# Altium PCB GEM_AFE_128.PcbDoc (part 3 of 18)
Units mm, origin at the board's own origin, x right, y up, seen from the top; angles counter-clockwise.
Board outline 112 x 81.5 mm, 8 copper layers (Top Layer, L1, L2, L3, L4, L5, L6, Bottom Layer), stack 1.52 mm thick; 1880 components, 1258 nets, 6287 pads, 2369 vias.
Unrouted connection lines stored in the file: 4.
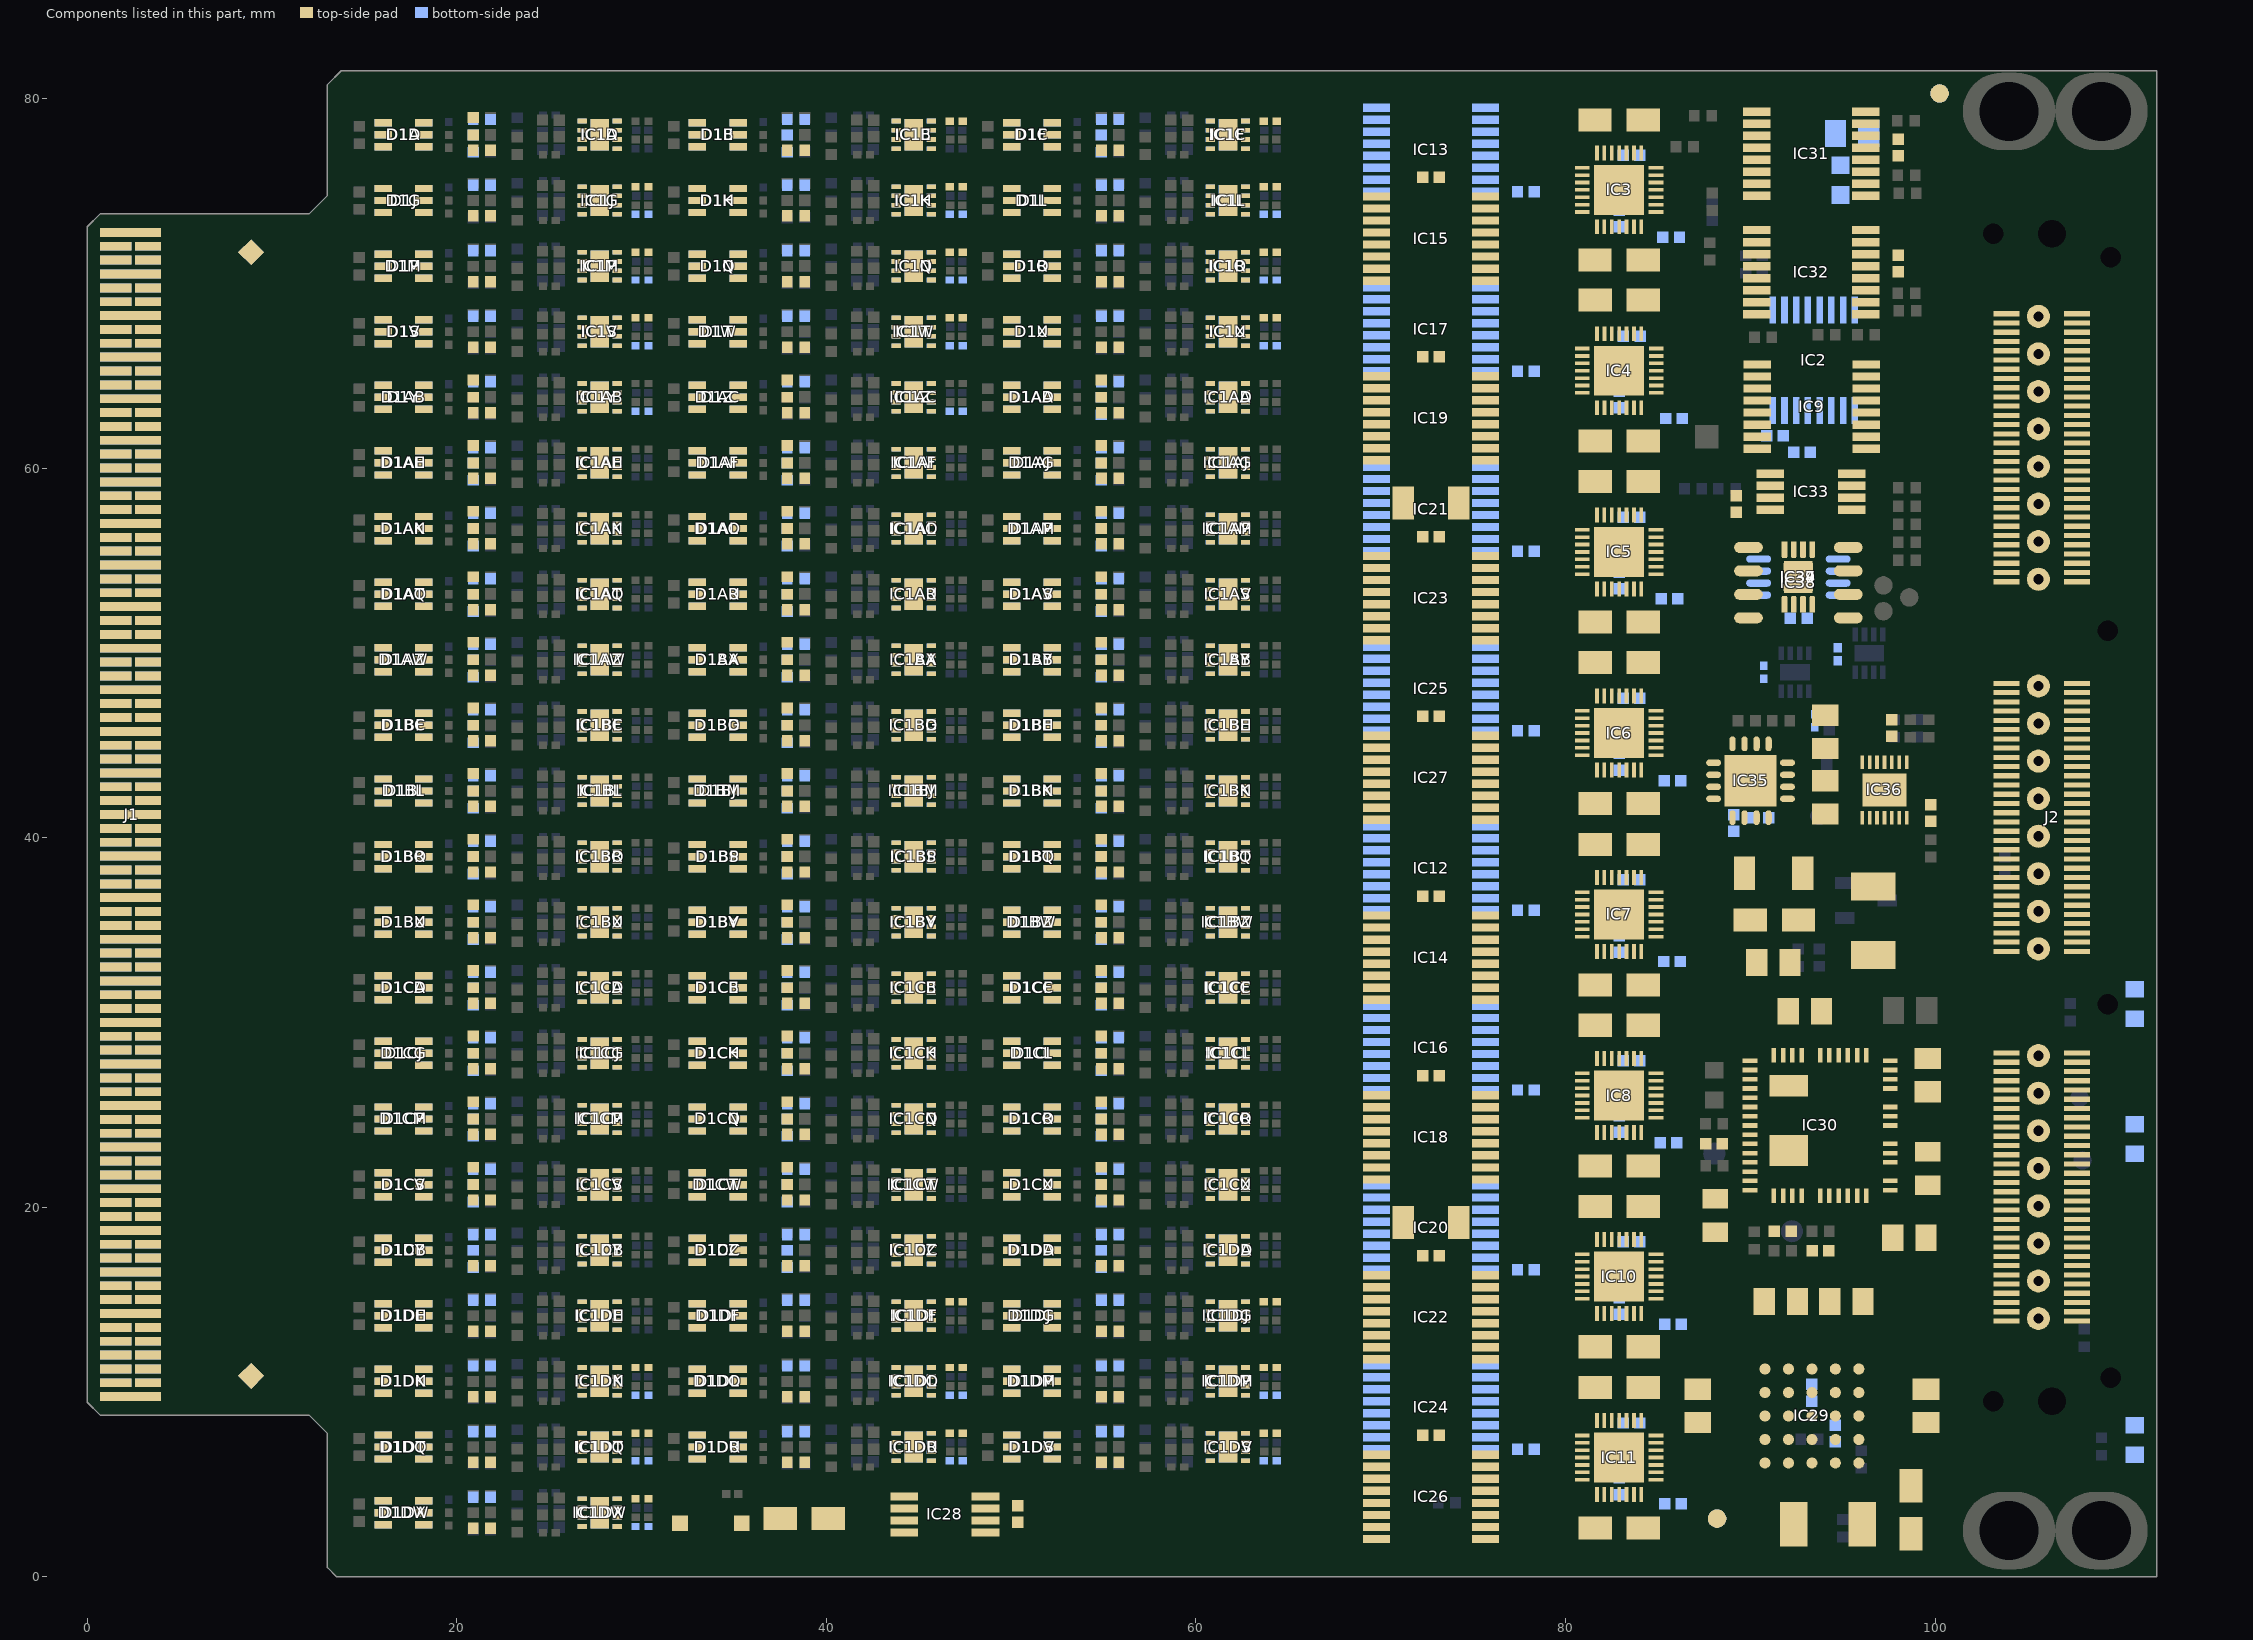
[diagram p9: the components of this part, seen from the top]

## Components (designator, comment, footprint, x,y, rotation, side; value= is the part's Value field where it differs from the comment) (continued)
C6DI "100nF" CAPC0603X33N#1 47.025,14.875 r180 top (schematic designator C6)
C6DJ "100nF" CAPC0603X33N#1 64.025,14.875 r180 top (schematic designator C6)
C6DK "100nF" CAPC0603X33N#1 30.025,9.825 r180 bottom (schematic designator C6)
C6DL "100nF" CAPC0603X33N#1 47.025,9.825 r180 bottom (schematic designator C6)
C6DM "100nF" CAPC0603X33N#1 64.025,9.825 r180 bottom (schematic designator C6)
C6DN "100nF" CAPC0603X33N#1 30.025,11.325 r180 top (schematic designator C6)
C6DO "100nF" CAPC0603X33N#1 47.025,11.325 r180 top (schematic designator C6)
C6DP "100nF" CAPC0603X33N#1 64.025,11.325 r180 top (schematic designator C6)
C6DQ "100nF" CAPC0603X33N#1 30.025,6.275 r180 bottom (schematic designator C6)
C6DR "100nF" CAPC0603X33N#1 47.025,6.275 r180 bottom (schematic designator C6)
C6DS "100nF" CAPC0603X33N#1 64.025,6.275 r180 bottom (schematic designator C6)
C6DT "100nF" CAPC0603X33N#1 30.025,7.775 r180 top (schematic designator C6)
C6DU "100nF" CAPC0603X33N#1 47.025,7.775 r180 top (schematic designator C6)
C6DV "100nF" CAPC0603X33N#1 64.025,7.775 r180 top (schematic designator C6)
C6DW "100nF" CAPC0603X33N#1 30.025,2.725 r180 bottom (schematic designator C6)
C6DX "100nF" CAPC0603X33N#1 30.025,4.225 r180 top (schematic designator C6)
C6E "100nF" CAPC0603X33N#1 47.025,78.775 r180 top (schematic designator C6)
C6F "100nF" CAPC0603X33N#1 64.025,78.775 r180 top (schematic designator C6)
C6G "100nF" CAPC0603X33N#1 30.025,73.725 r180 bottom (schematic designator C6)
C6H "100nF" CAPC0603X33N#1 47.025,73.725 r180 bottom (schematic designator C6)
C6I "100nF" CAPC0603X33N#1 64.025,73.725 r180 bottom (schematic designator C6)
C6J "100nF" CAPC0603X33N#1 30.025,75.225 r180 top (schematic designator C6)
C6K "100nF" CAPC0603X33N#1 47.025,75.225 r180 top (schematic designator C6)
C6L "100nF" CAPC0603X33N#1 64.025,75.225 r180 top (schematic designator C6)
C6M "100nF" CAPC0603X33N#1 30.025,70.175 r180 bottom (schematic designator C6)
C6N "100nF" CAPC0603X33N#1 47.025,70.175 r180 bottom (schematic designator C6)
C6O "100nF" CAPC0603X33N#1 64.025,70.175 r180 bottom (schematic designator C6)
C6P "100nF" CAPC0603X33N#1 30.025,71.675 r180 top (schematic designator C6)
C6Q "100nF" CAPC0603X33N#1 47.025,71.675 r180 top (schematic designator C6)
C6R "100nF" CAPC0603X33N#1 64.025,71.675 r180 top (schematic designator C6)
C6S "100nF" CAPC0603X33N#1 30.025,66.625 r180 bottom (schematic designator C6)
C6T "100nF" CAPC0603X33N#1 47.025,66.625 r180 bottom (schematic designator C6)
C6U "100nF" CAPC0603X33N#1 64.025,66.625 r180 bottom (schematic designator C6)
C6V "100nF" CAPC0603X33N#1 30.025,68.125 r180 top (schematic designator C6)
C6W "100nF" CAPC0603X33N#1 47.025,68.125 r180 top (schematic designator C6)
C6X "100nF" CAPC0603X33N#1 64.025,68.125 r180 top (schematic designator C6)
C6Y "100nF" CAPC0603X33N#1 30.025,63.075 r180 bottom (schematic designator C6)
C6Z "100nF" CAPC0603X33N#1 47.025,63.075 r180 bottom (schematic designator C6)
C7 "100nF" CAPC0603X33N#2 94.725,49.92 r270 bottom
C9 "22uF" CAPC2012X145N 87.15,9.25 r90 top
C10 "22uF" CAPC2012X145N 91.25,33.25 r0 top
C11 "10uF" CAPMP3216X180N 82.9,49.472 r180 top
C12 "100nF" CAPC1005X55N 83.575,47.53 r0 bottom
C13 "10uF" CAPMP3216X180N 82.9,10.253 r180 top
C14 "100nF" CAPC1005X55N 83.581,67.133 r0 bottom
C15 "10uF" CAPMP3216X180N 82.902,61.471 r180 top
C16 "100nF" CAPC1005X55N 82.897,24.495 r270 bottom
C17 "10uF" CAPMP3216X180N 82.9,32.034 r180 top
C18 "100nF" CAPC1005X55N 82.897,73.5 r270 bottom
C19 "100nF" CAPC1005X55N 85.872,62.679 r180 bottom
C20 "100nF" CAPC1005X55N 85.716,72.485 r180 bottom
C21 "10uF" CAPMP3216X180N 82.9,20.043 r180 top
C22 "100nF" CAPC1005X55N 83.575,18.121 r0 bottom
C23 "10uF" CAPMP3216X180N 82.897,78.843 r180 top
C24 "100nF" CAPC1005X55N 83.575,37.713 r0 bottom
C25 "10uF" CAPMP3216X180N 82.9,2.647 r180 top
C26 "100nF" CAPC1005X55N 82.897,44.108 r270 bottom
C27 "10uF" CAPMP3216X180N 82.897,71.251 r180 top
C28 "100nF" CAPC1005X55N 92.8,60.85 r180 bottom
C29 "100nF" CAPC1005X55N 85.619,52.925 r180 bottom
C30 "100nF" CAPC1005X55N 85.79,43.077 r180 bottom
C31 "10uF" CAPMP3216X180N 82.9,59.261 r180 top
C32 "100nF" CAPC1005X55N 83.575,76.922 r0 bottom
C33 "10uF" CAPMP3216X180N 82.902,69.082 r180 top
C34 "100nF" CAPC1005X55N 83.574,57.33 r0 bottom
C35 "10uF" CAPMP3216X180N 82.9,12.449 r180 top
C36 "100nF" CAPC1005X55N 82.899,63.715 r270 bottom
C37 "10uF" CAPMP3216X180N 82.9,22.236 r180 top
C38 "100nF" CAPC1005X55N 82.897,34.241 r270 bottom
C39 "100nF" CAPC1005X55N 85.572,23.492 r180 bottom
C40 "100nF" CAPC1005X55N 85.752,33.296 r180 bottom
C41 "100nF" CAPC1005X55N 82.896,53.908 r270 bottom
C42 "10uF" CAPMP3216X180N 82.9,29.845 r180 top
C43 "100nF" CAPC1005X55N 83.575,8.325 r0 bottom
C44 "10uF" CAPMP3216X180N 82.9,39.632 r180 top
C45 "100nF" CAPC1005X55N 83.575,27.917 r0 bottom
C46 "10uF" CAPMP3216X180N 82.9,51.664 r180 top
C47 "100nF" CAPC1005X55N 82.897,4.903 r270 bottom
C48 "10uF" CAPMP3216X180N 82.9,41.854 r180 top
C49 "100nF" CAPC1005X55N 82.9,14.649 r270 bottom
C50 "100nF" CAPC1005X55N 85.814,13.661 r180 bottom
C51 "100nF" CAPC1005X55N 85.814,3.951 r180 bottom
C52 "100nF" CAPC1005X55N 77.85,74.95 r180 bottom
C53 "100nF" CAPC1005X55N 72.723,75.741 r0 top
C54 "100nF" CAPC1005X55N 77.85,65.229 r180 bottom
C55 "100nF" CAPC1005X55N 72.723,66.014 r0 top
C56 "22uF" CAPC3216X140N 72.723,58.113 r0 top
C57 "22uF" CAPC3216X140N 72.723,19.175 r0 top
C58 "100nF" CAPC1005X55N 77.85,55.507 r180 bottom
C59 "100nF" CAPC1005X55N 72.723,56.286 r0 top
C60 "100nF" CAPC1005X55N 77.85,45.786 r180 bottom
C61 "100nF" CAPC1005X55N 72.723,46.559 r0 top
C62 "100nF" CAPC1005X55N 77.85,36.064 r180 bottom
C63 "100nF" CAPC1005X55N 72.723,36.832 r0 top
C64 "100nF" CAPC1005X55N 77.85,26.343 r180 bottom
C65 "100nF" CAPC1005X55N 72.723,27.104 r0 top
C66 "100nF" CAPC1005X55N 77.85,16.621 r180 bottom
C67 "100nF" CAPC1005X55N 72.723,17.377 r0 top
C68 "100nF" CAPC1005X55N 77.85,6.9 r180 bottom
C69 "100nF" CAPC1005X55N 72.725,7.65 r0 top
C70 "22uF" CAPC2012X145N 95.2,14.9 r0 top
C71 "22uF" CAPC2012X145N 99.5,9.25 r90 top
C72 "22uF" CAPC2012X145N 94.05,45.725 r90 top
C73 "22uF" CAPC2012X145N 98.6,18.35 r180 top
C74 "22uF" CAPC2012X145N 91.65,14.9 r180 top
C75 "10uF" CAPMP3216X180N 98.7,3.625 r270 top
C76 "10uF" CAPMP3216X180N 91.3,35.55 r180 top
C77 "22uF" CAPC2012X145N 94.05,42.175 r270 top
C78 "100nF" CAPC1005X55N 89.233,58.046 r90 top
C79 "100nF" CAPC1005X55N 92.62,51.873 r180 bottom
C80 "100nF" CAPC1005X55N 50.35,3.4 r270 top
C81 "22uF" CAPC2012X145N 95.5,78.1 r180 bottom
C82 "22uF" CAPC2012X145N 92.95,30.6 r0 top
C83 "22uF" CAPC2012X145N 99.6,27.15 r90 top
C84 "1nF" CAPC1005X55N 90.533,41.074 r0 bottom
C85 "100nF" CAPC1005X55N 94.6,7.75 r270 bottom
C86 "10nF" CAPC1005X55N 89.1,40.79 r270 bottom
C87 "47nF" CAPC1005X55N 97.655,45.928 r90 top
C88 "1uF" CAPC1005X55N 99.755,41.338 r270 top
C89 "10uF" CAPC2012X135N 88.1,19.55 r90 top
C90 "10uF" CAPC2012X135N 99.6,22.1 r270 top
C91 "100nF" CAPC1005X55N 93.33,9.96 r270 bottom
C92 "1nF" CAPC1005X55N 88.041,23.43 r180 top
C93 "100nF" CAPC1005X55N 93.8,17.65 r0 top
C94 "15pF" CAPC1005X55N 91.75,18.7 r0 top
C95 "100nF" CAPC1005X55N 98,77.35 r270 top
C96 "100nF" CAPC1005X55N 97.998,71.068 r270 top
C97 "10uF" CAPMP3216X180N 38.8,3.15 r0 top
C98 "100nF" CAPC0603X33N#1 90.721,48.948 r270 bottom
C99 "100nF" CAPC0603X33N#1 93.492,46.322 r90 bottom
C100 "100nF" CAPC1005X55N 91.331,61.754 r0 bottom
D1A "BAS70DW-04" SOT65P210X110-6N 17.125,78.025 r0 bottom (schematic designator D1)
D1AA "BAS70DW-04" SOT65P210X110-6N 51.125,63.825 r0 bottom (schematic designator D1)
D1AB "BAS70DW-04" SOT65P210X110-6N 17.125,63.825 r0 top (schematic designator D1)
D1AC "BAS70DW-04" SOT65P210X110-6N 34.125,63.825 r0 top (schematic designator D1)
D1AD "BAS70DW-04" SOT65P210X110-6N 51.125,63.825 r0 top (schematic designator D1)
D1AE "BAS70DW-04" SOT65P210X110-6N 17.125,60.275 r0 bottom (schematic designator D1)
D1AF "BAS70DW-04" SOT65P210X110-6N 34.125,60.275 r0 bottom (schematic designator D1)
D1AG "BAS70DW-04" SOT65P210X110-6N 51.125,60.275 r0 bottom (schematic designator D1)
D1AH "BAS70DW-04" SOT65P210X110-6N 17.125,60.275 r0 top (schematic designator D1)
D1AI "BAS70DW-04" SOT65P210X110-6N 34.125,60.275 r0 top (schematic designator D1)
D1AJ "BAS70DW-04" SOT65P210X110-6N 51.125,60.275 r0 top (schematic designator D1)
D1AK "BAS70DW-04" SOT65P210X110-6N 17.125,56.725 r0 bottom (schematic designator D1)
D1AL "BAS70DW-04" SOT65P210X110-6N 34.125,56.725 r0 bottom (schematic designator D1)
D1AM "BAS70DW-04" SOT65P210X110-6N 51.125,56.725 r0 bottom (schematic designator D1)
D1AN "BAS70DW-04" SOT65P210X110-6N 17.125,56.725 r0 top (schematic designator D1)
D1AO "BAS70DW-04" SOT65P210X110-6N 34.125,56.725 r0 top (schematic designator D1)
D1AP "BAS70DW-04" SOT65P210X110-6N 51.125,56.725 r0 top (schematic designator D1)
D1AQ "BAS70DW-04" SOT65P210X110-6N 17.125,53.175 r0 bottom (schematic designator D1)
D1AR "BAS70DW-04" SOT65P210X110-6N 34.125,53.175 r0 bottom (schematic designator D1)
D1AS "BAS70DW-04" SOT65P210X110-6N 51.125,53.175 r0 bottom (schematic designator D1)
D1AT "BAS70DW-04" SOT65P210X110-6N 17.125,53.175 r0 top (schematic designator D1)
D1AU "BAS70DW-04" SOT65P210X110-6N 34.125,53.175 r0 top (schematic designator D1)
D1AV "BAS70DW-04" SOT65P210X110-6N 51.125,53.175 r0 top (schematic designator D1)
D1AW "BAS70DW-04" SOT65P210X110-6N 17.125,49.625 r0 bottom (schematic designator D1)
D1AX "BAS70DW-04" SOT65P210X110-6N 34.125,49.625 r0 bottom (schematic designator D1)
D1AY "BAS70DW-04" SOT65P210X110-6N 51.125,49.625 r0 bottom (schematic designator D1)
D1AZ "BAS70DW-04" SOT65P210X110-6N 17.125,49.625 r0 top (schematic designator D1)
D1B "BAS70DW-04" SOT65P210X110-6N 34.125,78.025 r0 bottom (schematic designator D1)
D1BA "BAS70DW-04" SOT65P210X110-6N 34.125,49.625 r0 top (schematic designator D1)
D1BB "BAS70DW-04" SOT65P210X110-6N 51.125,49.625 r0 top (schematic designator D1)
D1BC "BAS70DW-04" SOT65P210X110-6N 17.125,46.075 r0 bottom (schematic designator D1)
D1BD "BAS70DW-04" SOT65P210X110-6N 34.125,46.075 r0 bottom (schematic designator D1)
D1BE "BAS70DW-04" SOT65P210X110-6N 51.125,46.075 r0 bottom (schematic designator D1)
D1BF "BAS70DW-04" SOT65P210X110-6N 17.125,46.075 r0 top (schematic designator D1)
D1BG "BAS70DW-04" SOT65P210X110-6N 34.125,46.075 r0 top (schematic designator D1)
D1BH "BAS70DW-04" SOT65P210X110-6N 51.125,46.075 r0 top (schematic designator D1)
D1BI "BAS70DW-04" SOT65P210X110-6N 17.125,42.525 r0 bottom (schematic designator D1)
D1BJ "BAS70DW-04" SOT65P210X110-6N 34.125,42.525 r0 bottom (schematic designator D1)
D1BK "BAS70DW-04" SOT65P210X110-6N 51.125,42.525 r0 bottom (schematic designator D1)
D1BL "BAS70DW-04" SOT65P210X110-6N 17.125,42.525 r0 top (schematic designator D1)
D1BM "BAS70DW-04" SOT65P210X110-6N 34.125,42.525 r0 top (schematic designator D1)
D1BN "BAS70DW-04" SOT65P210X110-6N 51.125,42.525 r0 top (schematic designator D1)
D1BO "BAS70DW-04" SOT65P210X110-6N 17.125,38.975 r0 bottom (schematic designator D1)
D1BP "BAS70DW-04" SOT65P210X110-6N 34.125,38.975 r0 bottom (schematic designator D1)
D1BQ "BAS70DW-04" SOT65P210X110-6N 51.125,38.975 r0 bottom (schematic designator D1)
D1BR "BAS70DW-04" SOT65P210X110-6N 17.125,38.975 r0 top (schematic designator D1)
D1BS "BAS70DW-04" SOT65P210X110-6N 34.125,38.975 r0 top (schematic designator D1)
D1BT "BAS70DW-04" SOT65P210X110-6N 51.125,38.975 r0 top (schematic designator D1)
D1BU "BAS70DW-04" SOT65P210X110-6N 17.125,35.425 r0 bottom (schematic designator D1)
D1BV "BAS70DW-04" SOT65P210X110-6N 34.125,35.425 r0 bottom (schematic designator D1)
D1BW "BAS70DW-04" SOT65P210X110-6N 51.125,35.425 r0 bottom (schematic designator D1)
D1BX "BAS70DW-04" SOT65P210X110-6N 17.125,35.425 r0 top (schematic designator D1)
D1BY "BAS70DW-04" SOT65P210X110-6N 34.125,35.425 r0 top (schematic designator D1)
D1BZ "BAS70DW-04" SOT65P210X110-6N 51.125,35.425 r0 top (schematic designator D1)
D1C "BAS70DW-04" SOT65P210X110-6N 51.125,78.025 r0 bottom (schematic designator D1)
D1CA "BAS70DW-04" SOT65P210X110-6N 17.125,31.875 r0 bottom (schematic designator D1)
D1CB "BAS70DW-04" SOT65P210X110-6N 34.125,31.875 r0 bottom (schematic designator D1)
D1CC "BAS70DW-04" SOT65P210X110-6N 51.125,31.875 r0 bottom (schematic designator D1)
D1CD "BAS70DW-04" SOT65P210X110-6N 17.125,31.875 r0 top (schematic designator D1)
D1CE "BAS70DW-04" SOT65P210X110-6N 34.125,31.875 r0 top (schematic designator D1)
D1CF "BAS70DW-04" SOT65P210X110-6N 51.125,31.875 r0 top (schematic designator D1)
D1CG "BAS70DW-04" SOT65P210X110-6N 17.125,28.325 r0 bottom (schematic designator D1)
D1CH "BAS70DW-04" SOT65P210X110-6N 34.125,28.325 r0 bottom (schematic designator D1)
D1CI "BAS70DW-04" SOT65P210X110-6N 51.125,28.325 r0 bottom (schematic designator D1)
D1CJ "BAS70DW-04" SOT65P210X110-6N 17.125,28.325 r0 top (schematic designator D1)
D1CK "BAS70DW-04" SOT65P210X110-6N 34.125,28.325 r0 top (schematic designator D1)
D1CL "BAS70DW-04" SOT65P210X110-6N 51.125,28.325 r0 top (schematic designator D1)
D1CM "BAS70DW-04" SOT65P210X110-6N 17.125,24.775 r0 bottom (schematic designator D1)
D1CN "BAS70DW-04" SOT65P210X110-6N 34.125,24.775 r0 bottom (schematic designator D1)
D1CO "BAS70DW-04" SOT65P210X110-6N 51.125,24.775 r0 bottom (schematic designator D1)
D1CP "BAS70DW-04" SOT65P210X110-6N 17.125,24.775 r0 top (schematic designator D1)
D1CQ "BAS70DW-04" SOT65P210X110-6N 34.125,24.775 r0 top (schematic designator D1)
D1CR "BAS70DW-04" SOT65P210X110-6N 51.125,24.775 r0 top (schematic designator D1)
D1CS "BAS70DW-04" SOT65P210X110-6N 17.125,21.225 r0 bottom (schematic designator D1)
D1CT "BAS70DW-04" SOT65P210X110-6N 34.125,21.225 r0 bottom (schematic designator D1)
D1CU "BAS70DW-04" SOT65P210X110-6N 51.125,21.225 r0 bottom (schematic designator D1)
D1CV "BAS70DW-04" SOT65P210X110-6N 17.125,21.225 r0 top (schematic designator D1)
D1CW "BAS70DW-04" SOT65P210X110-6N 34.125,21.225 r0 top (schematic designator D1)
D1CX "BAS70DW-04" SOT65P210X110-6N 51.125,21.225 r0 top (schematic designator D1)
D1CY "BAS70DW-04" SOT65P210X110-6N 17.125,17.675 r0 bottom (schematic designator D1)
D1CZ "BAS70DW-04" SOT65P210X110-6N 34.125,17.675 r0 bottom (schematic designator D1)
D1D "BAS70DW-04" SOT65P210X110-6N 17.125,78.025 r0 top (schematic designator D1)
D1DA "BAS70DW-04" SOT65P210X110-6N 51.125,17.675 r0 bottom (schematic designator D1)
D1DB "BAS70DW-04" SOT65P210X110-6N 17.125,17.675 r0 top (schematic designator D1)
D1DC "BAS70DW-04" SOT65P210X110-6N 34.125,17.675 r0 top (schematic designator D1)
D1DD "BAS70DW-04" SOT65P210X110-6N 51.125,17.675 r0 top (schematic designator D1)
D1DE "BAS70DW-04" SOT65P210X110-6N 17.125,14.125 r0 bottom (schematic designator D1)
D1DF "BAS70DW-04" SOT65P210X110-6N 34.125,14.125 r0 bottom (schematic designator D1)
D1DG "BAS70DW-04" SOT65P210X110-6N 51.125,14.125 r0 bottom (schematic designator D1)
D1DH "BAS70DW-04" SOT65P210X110-6N 17.125,14.125 r0 top (schematic designator D1)
D1DI "BAS70DW-04" SOT65P210X110-6N 34.125,14.125 r0 top (schematic designator D1)
D1DJ "BAS70DW-04" SOT65P210X110-6N 51.125,14.125 r0 top (schematic designator D1)
D1DK "BAS70DW-04" SOT65P210X110-6N 17.125,10.575 r0 bottom (schematic designator D1)
D1DL "BAS70DW-04" SOT65P210X110-6N 34.125,10.575 r0 bottom (schematic designator D1)
D1DM "BAS70DW-04" SOT65P210X110-6N 51.125,10.575 r0 bottom (schematic designator D1)
D1DN "BAS70DW-04" SOT65P210X110-6N 17.125,10.575 r0 top (schematic designator D1)
D1DO "BAS70DW-04" SOT65P210X110-6N 34.125,10.575 r0 top (schematic designator D1)
D1DP "BAS70DW-04" SOT65P210X110-6N 51.125,10.575 r0 top (schematic designator D1)
D1DQ "BAS70DW-04" SOT65P210X110-6N 17.125,7.025 r0 bottom (schematic designator D1)
D1DR "BAS70DW-04" SOT65P210X110-6N 34.125,7.025 r0 bottom (schematic designator D1)
D1DS "BAS70DW-04" SOT65P210X110-6N 51.125,7.025 r0 bottom (schematic designator D1)
D1DT "BAS70DW-04" SOT65P210X110-6N 17.125,7.025 r0 top (schematic designator D1)
D1DU "BAS70DW-04" SOT65P210X110-6N 34.125,7.025 r0 top (schematic designator D1)
D1DV "BAS70DW-04" SOT65P210X110-6N 51.125,7.025 r0 top (schematic designator D1)
D1DW "BAS70DW-04" SOT65P210X110-6N 17.125,3.475 r0 bottom (schematic designator D1)
D1DX "BAS70DW-04" SOT65P210X110-6N 17.125,3.475 r0 top (schematic designator D1)
D1E "BAS70DW-04" SOT65P210X110-6N 34.125,78.025 r0 top (schematic designator D1)
D1F "BAS70DW-04" SOT65P210X110-6N 51.125,78.025 r0 top (schematic designator D1)
D1G "BAS70DW-04" SOT65P210X110-6N 17.125,74.475 r0 bottom (schematic designator D1)
D1H "BAS70DW-04" SOT65P210X110-6N 34.125,74.475 r0 bottom (schematic designator D1)
D1I "BAS70DW-04" SOT65P210X110-6N 51.125,74.475 r0 bottom (schematic designator D1)
D1J "BAS70DW-04" SOT65P210X110-6N 17.125,74.475 r0 top (schematic designator D1)
D1K "BAS70DW-04" SOT65P210X110-6N 34.125,74.475 r0 top (schematic designator D1)
D1L "BAS70DW-04" SOT65P210X110-6N 51.125,74.475 r0 top (schematic designator D1)
D1M "BAS70DW-04" SOT65P210X110-6N 17.125,70.925 r0 bottom (schematic designator D1)
D1N "BAS70DW-04" SOT65P210X110-6N 34.125,70.925 r0 bottom (schematic designator D1)
D1O "BAS70DW-04" SOT65P210X110-6N 51.125,70.925 r0 bottom (schematic designator D1)
D1P "BAS70DW-04" SOT65P210X110-6N 17.125,70.925 r0 top (schematic designator D1)
D1Q "BAS70DW-04" SOT65P210X110-6N 34.125,70.925 r0 top (schematic designator D1)
D1R "BAS70DW-04" SOT65P210X110-6N 51.125,70.925 r0 top (schematic designator D1)
D1S "BAS70DW-04" SOT65P210X110-6N 17.125,67.375 r0 bottom (schematic designator D1)
D1T "BAS70DW-04" SOT65P210X110-6N 34.125,67.375 r0 bottom (schematic designator D1)
D1U "BAS70DW-04" SOT65P210X110-6N 51.125,67.375 r0 bottom (schematic designator D1)
D1V "BAS70DW-04" SOT65P210X110-6N 17.125,67.375 r0 top (schematic designator D1)
D1W "BAS70DW-04" SOT65P210X110-6N 34.125,67.375 r0 top (schematic designator D1)
D1X "BAS70DW-04" SOT65P210X110-6N 51.125,67.375 r0 top (schematic designator D1)
D1Y "BAS70DW-04" SOT65P210X110-6N 17.125,63.825 r0 bottom (schematic designator D1)
D1Z "BAS70DW-04" SOT65P210X110-6N 34.125,63.825 r0 bottom (schematic designator D1)
D2 "MMSZ5226B-7-F" SOD123 33.75,2.9 r180 top
FTG1 "Use only in PCB" FIDUCIAL_TOP_C100-200 100.242,80.267 r90 bottom
FTG2 "Use only in PCB" FIDUCIAL_TOP_C100-200 88.2,3.15 r90 bottom
FTG3 "Use only in PCB" FIDUCIAL_TOP_C100-200 100.242,80.267 r90 top
FTG4 "Use only in PCB" FIDUCIAL_TOP_C100-200 88.2,3.15 r0 top
FTG5 "Use only in PCB" FIDUCIAL_TOP_S100-200 8.875,71.675 r90 bottom
FTG6 "Use only in PCB" FIDUCIAL_TOP_S100-200 8.875,10.875 r90 top
FTG7 "Use only in PCB" FIDUCIAL_TOP_S100-200 8.875,10.875 r90 bottom
FTG8 "Use only in PCB" FIDUCIAL_TOP_S100-200 8.875,71.675 r0 top
IC1A "OPA858IDSG" TEXAS_DSG0008A 27.725,78.025 r0 bottom (schematic designator IC1)
IC1AA "OPA858IDSG" TEXAS_DSG0008A 61.725,63.825 r0 bottom (schematic designator IC1)
IC1AB "OPA858IDSG" TEXAS_DSG0008A 27.736,63.825 r0 top (schematic designator IC1)
IC1AC "OPA858IDSG" TEXAS_DSG0008A 44.736,63.825 r0 top (schematic designator IC1)
IC1AD "OPA858IDSG" TEXAS_DSG0008A 61.736,63.825 r0 top (schematic designator IC1)
IC1AE "OPA858IDSG" TEXAS_DSG0008A 27.725,60.275 r0 bottom (schematic designator IC1)
IC1AF "OPA858IDSG" TEXAS_DSG0008A 44.725,60.275 r0 bottom (schematic designator IC1)
IC1AG "OPA858IDSG" TEXAS_DSG0008A 61.725,60.275 r0 bottom (schematic designator IC1)
IC1AH "OPA858IDSG" TEXAS_DSG0008A 27.736,60.275 r0 top (schematic designator IC1)
IC1AI "OPA858IDSG" TEXAS_DSG0008A 44.736,60.275 r0 top (schematic designator IC1)
IC1AJ "OPA858IDSG" TEXAS_DSG0008A 61.736,60.275 r0 top (schematic designator IC1)
IC1AK "OPA858IDSG" TEXAS_DSG0008A 27.725,56.725 r0 bottom (schematic designator IC1)